# KiCad board 8b-alu-slice.kicad_pcb (continued)
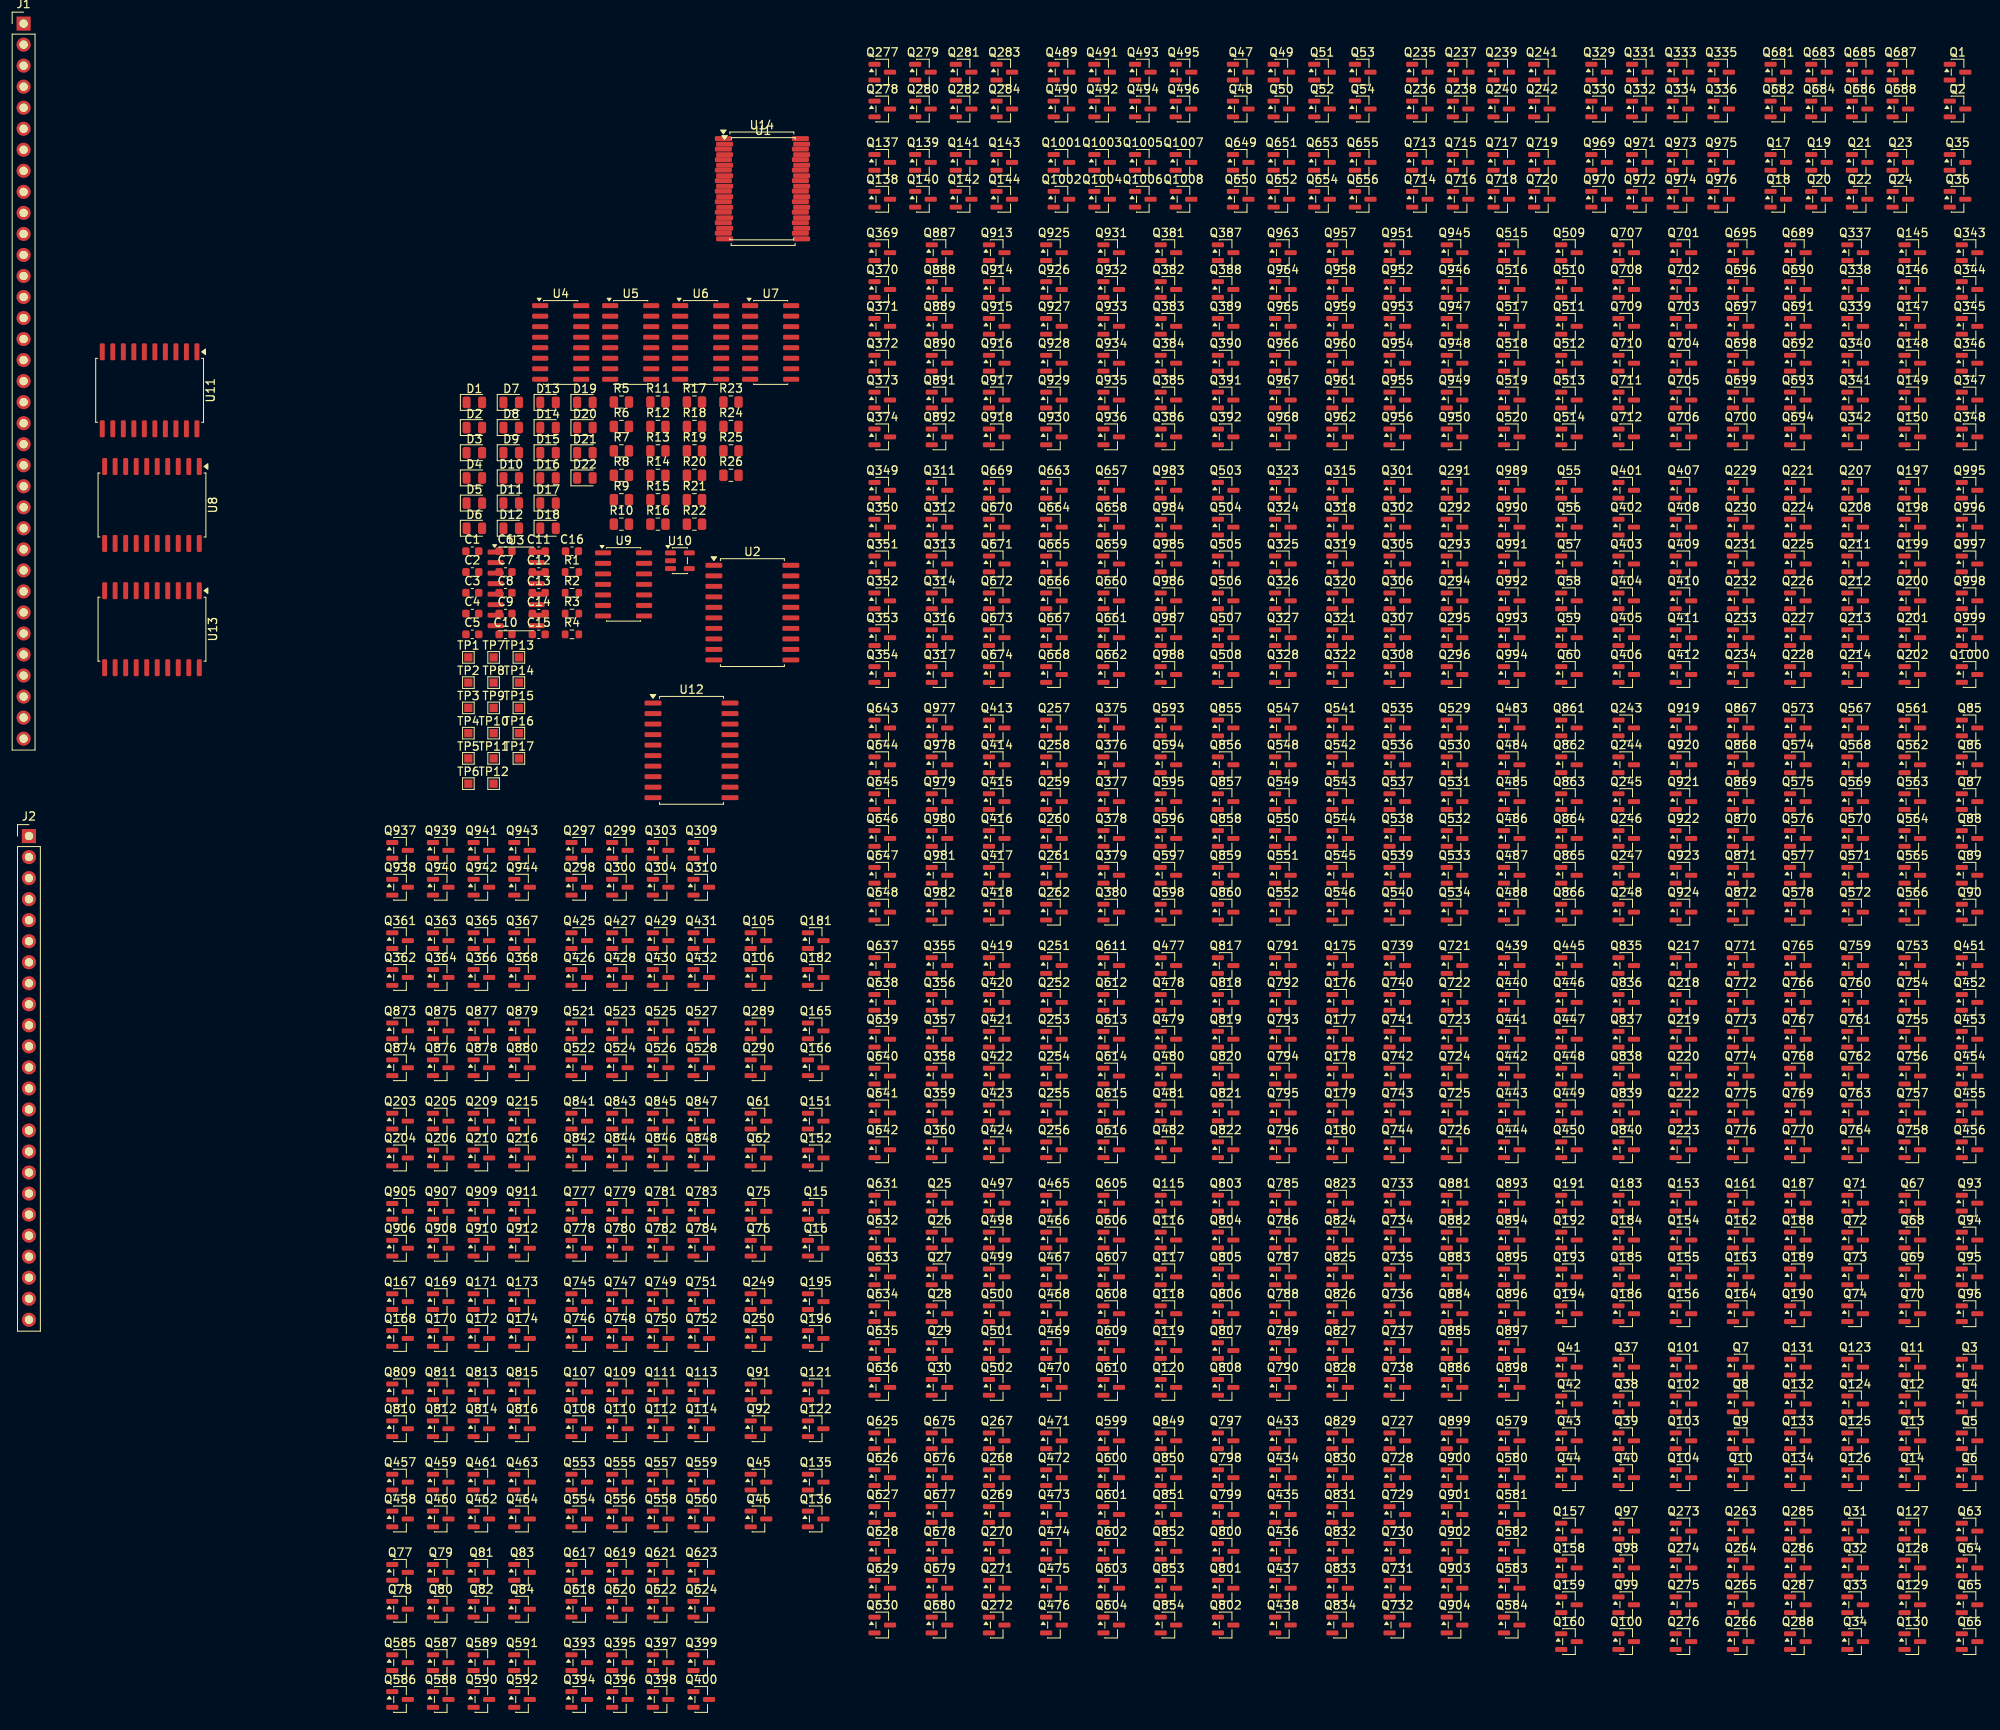
[diagram p0: board, top side]
## Nets (continued)
/1b_alu_slice_5/mux_4to1_2/3nand1/Y: Q643.3 Q644.3 Q645.3 Q648.3 Q649.1 Q656.1
/1b_alu_slice_5/mux_4to1_2/3nand2/Y: Q631.3 Q632.3 Q633.3 Q636.3 Q650.1 Q655.1
/1b_alu_slice_5/mux_4to1_2/3nand3/Y: Q625.3 Q626.3 Q627.3 Q630.3 Q651.1 Q654.1
/1b_alu_slice_5/mux_4to1_2/3nand4/Y: Q637.3 Q638.3 Q639.3 Q642.3 Q652.1 Q653.1
/1b_alu_slice_5/mux_4to1_2/C0_B: Q123.3 Q124.3 Q633.1 Q636.1 Q645.1 Q648.1
/1b_alu_slice_5/mux_4to1_2/C1_B: Q125.3 Q126.3 Q626.1 Q628.1 Q644.1 Q646.1
/1b_alu_slice_5/mux_4to1_3/3nand1/Y: Q707.3 Q708.3 Q709.3 Q712.3 Q713.1 Q720.1
/1b_alu_slice_5/mux_4to1_3/3nand2/Y: Q695.3 Q696.3 Q697.3 Q700.3 Q714.1 Q719.1
/1b_alu_slice_5/mux_4to1_3/3nand3/Y: Q689.3 Q690.3 Q691.3 Q694.3 Q715.1 Q718.1
/1b_alu_slice_5/mux_4to1_3/3nand4/Y: Q701.3 Q702.3 Q703.3 Q706.3 Q716.1 Q717.1
/1b_alu_slice_5/mux_4to1_3/C0_B: Q131.3 Q132.3 Q697.1 Q700.1 Q709.1 Q712.1
/1b_alu_slice_5/mux_4to1_3/C1_B: Q133.3 Q134.3 Q690.1 Q692.1 Q708.1 Q710.1
/1b_alu_slice_6/inv1/Y: Q151.3 Q152.3 Q727.1 Q731.1
/1b_alu_slice_6/inv2/Y: Q165.3 Q166.3 Q791.1 Q795.1
/1b_alu_slice_6/mux_4to1_1/3nand1/Y: Q771.3 Q772.3 Q773.3 Q776.3 Q777.1 Q784.1
/1b_alu_slice_6/mux_4to1_1/3nand2/Y: Q759.3 Q760.3 Q761.3 Q764.3 Q778.1 Q783.1
/1b_alu_slice_6/mux_4to1_1/3nand3/Y: Q753.3 Q754.3 Q755.3 Q758.3 Q779.1 Q782.1
/1b_alu_slice_6/mux_4to1_1/3nand4/Y: Q765.3 Q766.3 Q767.3 Q770.3 Q780.1 Q781.1
/1b_alu_slice_6/mux_4to1_1/C0: Q157.1 Q158.1 Q176.1 Q177.1 Q745.3 Q746.3 Q747.3 Q748.3 Q749.3 Q755.1 Q758.1 Q767.1 Q770.1
/1b_alu_slice_6/mux_4to1_1/C0_B: Q157.3 Q158.3 Q761.1 Q764.1 Q773.1 Q776.1
/1b_alu_slice_6/mux_4to1_1/C1: Q159.1 Q160.1 Q175.1 Q178.1 Q760.1 Q762.1 Q766.1 Q768.1 Q809.3 Q810.3 Q811.3 Q812.3 Q813.3
/1b_alu_slice_6/mux_4to1_1/C1_B: Q159.3 Q160.3 Q754.1 Q756.1 Q772.1 Q774.1
/1b_alu_slice_6/mux_4to1_2/3nand1/Y: Q739.3 Q740.3 Q741.3 Q744.3 Q745.1 Q752.1
/1b_alu_slice_6/mux_4to1_2/3nand2/Y: Q727.3 Q728.3 Q729.3 Q732.3 Q746.1 Q751.1
/1b_alu_slice_6/mux_4to1_2/3nand3/Y: Q721.3 Q722.3 Q723.3 Q726.3 Q747.1 Q750.1
/1b_alu_slice_6/mux_4to1_2/3nand4/Y: Q733.3 Q734.3 Q735.3 Q738.3 Q748.1 Q749.1
/1b_alu_slice_6/mux_4to1_2/C0_B: Q153.3 Q154.3 Q729.1 Q732.1 Q741.1 Q744.1
/1b_alu_slice_6/mux_4to1_2/C1_B: Q155.3 Q156.3 Q722.1 Q724.1 Q740.1 Q742.1
/1b_alu_slice_6/mux_4to1_3/3nand1/Y: Q803.3 Q804.3 Q805.3 Q808.3 Q809.1 Q816.1
/1b_alu_slice_6/mux_4to1_3/3nand2/Y: Q791.3 Q792.3 Q793.3 Q796.3 Q810.1 Q815.1
/1b_alu_slice_6/mux_4to1_3/3nand3/Y: Q785.3 Q786.3 Q787.3 Q790.3 Q811.1 Q814.1
/1b_alu_slice_6/mux_4to1_3/3nand4/Y: Q797.3 Q798.3 Q799.3 Q802.3 Q812.1 Q813.1
/1b_alu_slice_6/mux_4to1_3/C0_B: Q161.3 Q162.3 Q793.1 Q796.1 Q805.1 Q808.1
/1b_alu_slice_6/mux_4to1_3/C1_B: Q163.3 Q164.3 Q786.1 Q788.1 Q804.1 Q806.1
/1b_alu_slice_7/inv1/Y: Q181.3 Q182.3 Q823.1 Q827.1
/1b_alu_slice_7/inv2/Y: Q195.3 Q196.3 Q887.1 Q891.1
/1b_alu_slice_7/mux_4to1_1/3nand1/Y: Q867.3 Q868.3 Q869.3 Q872.3 Q873.1 Q880.1
/1b_alu_slice_7/mux_4to1_1/3nand2/Y: Q855.3 Q856.3 Q857.3 Q860.3 Q874.1 Q879.1
/1b_alu_slice_7/mux_4to1_1/3nand3/Y: Q849.3 Q850.3 Q851.3 Q854.3 Q875.1 Q878.1
/1b_alu_slice_7/mux_4to1_1/3nand4/Y: Q861.3 Q862.3 Q863.3 Q866.3 Q876.1 Q877.1
/1b_alu_slice_7/mux_4to1_1/C0: Q187.1 Q188.1 Q218.1 Q219.1 Q841.3 Q842.3 Q843.3 Q844.3 Q845.3 Q851.1 Q854.1 Q863.1 Q866.1
/1b_alu_slice_7/mux_4to1_1/C0_B: Q187.3 Q188.3 Q857.1 Q860.1 Q869.1 Q872.1
/1b_alu_slice_7/mux_4to1_1/C1: Q189.1 Q190.1 Q217.1 Q220.1 Q856.1 Q858.1 Q862.1 Q864.1 Q905.3 Q906.3 Q907.3 Q908.3 Q909.3
/1b_alu_slice_7/mux_4to1_1/C1_B: Q189.3 Q190.3 Q850.1 Q852.1 Q868.1 Q870.1
/1b_alu_slice_7/mux_4to1_2/3nand1/Y: Q835.3 Q836.3 Q837.3 Q840.3 Q841.1 Q848.1
/1b_alu_slice_7/mux_4to1_2/3nand2/Y: Q823.3 Q824.3 Q825.3 Q828.3 Q842.1 Q847.1
/1b_alu_slice_7/mux_4to1_2/3nand3/Y: Q817.3 Q818.3 Q819.3 Q822.3 Q843.1 Q846.1
/1b_alu_slice_7/mux_4to1_2/3nand4/Y: Q829.3 Q830.3 Q831.3 Q834.3 Q844.1 Q845.1
/1b_alu_slice_7/mux_4to1_2/C0_B: Q183.3 Q184.3 Q825.1 Q828.1 Q837.1 Q840.1
/1b_alu_slice_7/mux_4to1_2/C1_B: Q185.3 Q186.3 Q818.1 Q820.1 Q836.1 Q838.1
/1b_alu_slice_7/mux_4to1_3/3nand1/Y: Q899.3 Q900.3 Q901.3 Q904.3 Q905.1 Q912.1
/1b_alu_slice_7/mux_4to1_3/3nand2/Y: Q887.3 Q888.3 Q889.3 Q892.3 Q906.1 Q911.1
/1b_alu_slice_7/mux_4to1_3/3nand3/Y: Q881.3 Q882.3 Q883.3 Q886.3 Q907.1 Q910.1
/1b_alu_slice_7/mux_4to1_3/3nand4/Y: Q893.3 Q894.3 Q895.3 Q898.3 Q908.1 Q909.1
/1b_alu_slice_7/mux_4to1_3/C0_B: Q191.3 Q192.3 Q889.1 Q892.1 Q901.1 Q904.1
/1b_alu_slice_7/mux_4to1_3/C1_B: Q193.3 Q194.3 Q882.1 Q884.1 Q900.1 Q902.1
/1b_alu_slice_8/inv1/Y: Q249.3 Q250.3 Q919.1 Q923.1
/1b_alu_slice_8/inv2/Y: Q289.3 Q290.3 Q983.1 Q987.1
/1b_alu_slice_8/mux_4to1_1/3nand1/Y: Q963.3 Q964.3 Q965.3 Q968.3 Q969.1 Q976.1
/1b_alu_slice_8/mux_4to1_1/3nand2/Y: Q951.3 Q952.3 Q953.3 Q956.3 Q970.1 Q975.1
/1b_alu_slice_8/mux_4to1_1/3nand3/Y: Q945.3 Q946.3 Q947.3 Q950.3 Q971.1 Q974.1
/1b_alu_slice_8/mux_4to1_1/3nand4/Y: Q957.3 Q958.3 Q959.3 Q962.3 Q972.1 Q973.1
/1b_alu_slice_8/mux_4to1_1/C0: Q273.1 Q274.1 Q312.1 Q313.1 Q937.3 Q938.3 Q939.3 Q940.3 Q941.3 Q947.1 Q950.1 Q959.1 Q962.1
/1b_alu_slice_8/mux_4to1_1/C0_B: Q273.3 Q274.3 Q953.1 Q956.1 Q965.1 Q968.1
/1b_alu_slice_8/mux_4to1_1/C1: Q275.1 Q276.1 Q311.1 Q314.1 Q952.1 Q954.1 Q958.1 Q960.1 Q1001.3 Q1002.3 Q1003.3 Q1004.3 Q1005.3
/1b_alu_slice_8/mux_4to1_1/C1_B: Q275.3 Q276.3 Q946.1 Q948.1 Q964.1 Q966.1
/1b_alu_slice_8/mux_4to1_2/3nand1/Y: Q931.3 Q932.3 Q933.3 Q936.3 Q937.1 Q944.1
/1b_alu_slice_8/mux_4to1_2/3nand2/Y: Q919.3 Q920.3 Q921.3 Q924.3 Q938.1 Q943.1
/1b_alu_slice_8/mux_4to1_2/3nand3/Y: Q913.3 Q914.3 Q915.3 Q918.3 Q939.1 Q942.1
/1b_alu_slice_8/mux_4to1_2/3nand4/Y: Q925.3 Q926.3 Q927.3 Q930.3 Q940.1 Q941.1
/1b_alu_slice_8/mux_4to1_2/C0_B: Q263.3 Q264.3 Q921.1 Q924.1 Q933.1 Q936.1
/1b_alu_slice_8/mux_4to1_2/C1_B: Q265.3 Q266.3 Q914.1 Q916.1 Q932.1 Q934.1
/1b_alu_slice_8/mux_4to1_3/3nand1/Y: Q995.3 Q996.3 Q997.3 Q1000.3 Q1001.1 Q1008.1
/1b_alu_slice_8/mux_4to1_3/3nand2/Y: Q983.3 Q984.3 Q985.3 Q988.3 Q1002.1 Q1007.1
/1b_alu_slice_8/mux_4to1_3/3nand3/Y: Q977.3 Q978.3 Q979.3 Q982.3 Q1003.1 Q1006.1
/1b_alu_slice_8/mux_4to1_3/3nand4/Y: Q989.3 Q990.3 Q991.3 Q994.3 Q1004.1 Q1005.1
/1b_alu_slice_8/mux_4to1_3/C0_B: Q285.3 Q286.3 Q985.1 Q988.1 Q997.1 Q1000.1
/1b_alu_slice_8/mux_4to1_3/C1_B: Q287.3 Q288.3 Q978.1 Q980.1 Q996.1 Q998.1
/alu_out0: U6.4 U14.2
/alu_out1: U6.7 U14.4
/alu_out2: U6.9 U14.6
/alu_out3: U6.12 U14.8
/alu_out4: U7.4 U14.11
/alu_out5: U7.7 U14.13
/alu_out6: U7.9 U14.15
/alu_out7: U7.12 U14.17
/asel0: Q3.1 Q4.1 Q31.1 Q32.1 Q63.1 Q64.1 Q93.1 Q94.1 Q123.1 Q124.1 Q153.1 Q154.1 Q183.1 Q184.1 Q199.1 Q202.1 Q225.1 Q228.1 Q263.1 Q264.1 Q339.1 Q342.1 Q351.1 Q354.1 Q435.1 Q438.1 Q447.1 Q450.1 Q531.1 Q534.1 Q543.1 Q546.1 Q627.1 Q630.1 Q639.1 Q642.1 Q723.1 Q726.1 Q735.1 Q738.1 Q819.1 Q822.1 Q831.1 Q834.1 Q915.1 Q918.1 Q927.1 Q930.1 R5.1 U8.9 U11.9 U13.9
/asel1: Q5.1 Q6.1 Q33.1 Q34.1 Q65.1 Q66.1 Q95.1 Q96.1 Q125.1 Q126.1 Q155.1 Q156.1 Q185.1 Q186.1 Q208.1 Q212.1 Q224.1 Q226.1 Q265.1 Q266.1 Q344.1 Q346.1 Q350.1 Q352.1 Q440.1 Q442.1 Q446.1 Q448.1 Q536.1 Q538.1 Q542.1 Q544.1 Q632.1 Q634.1 Q638.1 Q640.1 Q728.1 Q730.1 Q734.1 Q736.1 Q824.1 Q826.1 Q830.1 Q832.1 Q920.1 Q922.1 Q926.1 Q928.1 R6.1 U8.7 U11.7 U13.7
/bsel0: Q11.1 Q12.1 Q41.1 Q42.1 Q71.1 Q72.1 Q101.1 Q102.1 Q131.1 Q132.1 Q161.1 Q162.1 Q191.1 Q192.1 Q285.1 Q286.1 Q293.1 Q296.1 Q319.1 Q322.1 Q403.1 Q406.1 Q415.1 Q418.1 Q499.1 Q502.1 Q511.1 Q514.1 Q595.1 Q598.1 Q607.1 Q610.1 Q691.1 Q694.1 Q703.1 Q706.1 Q787.1 Q790.1 Q799.1 Q802.1 Q883.1 Q886.1 Q895.1 Q898.1 Q979.1 Q982.1 Q991.1 Q994.1 R7.1 U8.5 U11.5 U13.5
/bsel1: Q13.1 Q14.1 Q43.1 Q44.1 Q73.1 Q74.1 Q103.1 Q104.1 Q133.1 Q134.1 Q163.1 Q164.1 Q193.1 Q194.1 Q287.1 Q288.1 Q302.1 Q306.1 Q318.1 Q320.1 Q408.1 Q410.1 Q414.1 Q416.1 Q504.1 Q506.1 Q510.1 Q512.1 Q600.1 Q602.1 Q606.1 Q608.1 Q696.1 Q698.1 Q702.1 Q704.1 Q792.1 Q794.1 Q798.1 Q800.1 Q888.1 Q890.1 Q894.1 Q896.1 Q984.1 Q986.1 Q990.1 Q992.1 R8.1 U8.3 U11.3 U13.3
/C1: Q19.1 Q20.1 Q22.3 U4.12
/C2: Q79.1 Q80.1 Q82.3 U4.11
/C3: Q109.1 Q110.1 Q112.3 U4.9
/C4: Q139.1 Q140.1 Q142.3 U3.12 U5.13
/C5: Q169.1 Q170.1 Q172.3 U5.12
/C6: Q205.1 Q206.1 Q210.3 U5.11
/C7: Q299.1 Q300.1 Q304.3 U5.9 U10.2
/C8: U3.11 U10.1 U12.6
/func0: Q267.1 Q271.1 Q387.1 Q391.1 Q483.1 Q487.1 Q579.1 Q583.1 Q675.1 Q679.1 Q771.1 Q775.1 Q867.1 Q871.1 Q963.1 Q967.1 R9.1 U8.18 U11.18 U13.18
/func1: Q251.1 Q255.1 Q375.1 Q379.1 Q471.1 Q475.1 Q567.1 Q571.1 Q663.1 Q667.1 Q759.1 Q763.1 Q855.1 Q859.1 Q951.1 Q955.1 R10.1 U8.16 U11.16 U13.16
/func2: Q243.1 Q247.1 Q369.1 Q373.1 Q465.1 Q469.1 Q561.1 Q565.1 Q657.1 Q661.1 Q753.1 Q757.1 Q849.1 Q853.1 Q945.1 Q949.1 R11.1 U8.14 U11.14 U13.14
/func3: Q257.1 Q261.1 Q381.1 Q385.1 Q477.1 Q481.1 Q573.1 Q577.1 Q669.1 Q673.1 Q765.1 Q769.1 Q861.1 Q865.1 Q957.1 Q961.1 R12.1 U8.12 U11.12 U13.12
/func4: R13.1 U6.1 U7.1 U12.5 U12.7 U12.9
/G0: Q59.3 Q60.3 U1.6
/G1: Q29.3 Q30.3 U1.7
/G2: Q89.3 Q90.3 U1.8
/G3: Q119.3 Q120.3 U1.9
/G4: Q149.3 Q150.3 U2.6
/G5: Q179.3 Q180.3 U2.7
/G6: Q222.3 Q223.3 U2.8
/G7: Q316.3 Q317.3 U2.9
/G_OUT_0: U3.3 U4.10
/G_OUT_1: U3.1 U5.10
/P0: Q47.1 Q48.1 Q52.1 Q277.3 Q278.3 Q279.3 Q280.3 Q281.3 TP9.1 U1.2 U6.3
/P1: Q17.1 Q18.1 Q22.1 Q393.3 Q394.3 Q395.3 Q396.3 Q397.3 TP3.1 U1.3 U6.5
/P2: Q77.1 Q78.1 Q82.1 Q489.3 Q490.3 Q491.3 Q492.3 Q493.3 TP2.1 U1.4 U6.11
/P3: Q107.1 Q108.1 Q112.1 Q585.3 Q586.3 Q587.3 Q588.3 Q589.3 TP4.1 U1.5 U6.13
/P4: Q137.1 Q138.1 Q142.1 Q681.3 Q682.3 Q683.3 Q684.3 Q685.3 TP6.1 U2.2 U7.3
/P5: Q167.1 Q168.1 Q172.1 Q777.3 Q778.3 Q779.3 Q780.3 Q781.3 TP7.1 U2.3 U7.5
/P6: Q203.1 Q204.1 Q210.1 Q873.3 Q874.3 Q875.3 Q876.3 Q877.3 TP5.1 U2.4 U7.11
/P7: Q297.1 Q298.1 Q304.1 Q969.3 Q970.3 Q971.3 Q972.3 Q973.3 TP8.1 U2.5 U7.13
/P_OUT_0: U3.4 U4.7
/P_OUT_1: U3.2 U5.7
/SUM[0]: Q53.3 Q54.3 TP17.1 U6.2 U9.2
/SUM[1]: Q23.3 Q24.3 TP16.1 U6.6 U9.3
/SUM[2]: Q83.3 Q84.3 TP15.1 U6.10 U9.4
/SUM[3]: Q113.3 Q114.3 TP14.1 U6.14 U9.5
/SUM[4]: Q143.3 Q144.3 TP13.1 U7.2 U9.9
/SUM[5]: Q173.3 Q174.3 TP12.1 U7.6 U9.10
/SUM[6]: Q215.3 Q216.3 TP11.1 U7.10 U9.11
/SUM[7]: Q309.3 Q310.3 TP10.1 U7.14 U9.12 U12.8
A[0]: J1.4 Q35.1 Q36.1 Q229.1 Q233.1
A[1]: J1.5 Q1.1 Q2.1 Q355.1 Q359.1
A[2]: J1.6 Q61.1 Q62.1 Q451.1 Q455.1
A[3]: J1.7 Q91.1 Q92.1 Q547.1 Q551.1
A[4]: J1.9 Q121.1 Q122.1 Q643.1 Q647.1
A[5]: J1.10 Q151.1 Q152.1 Q739.1 Q743.1
A[6]: J1.11 Q181.1 Q182.1 Q835.1 Q839.1
A[7]: J1.12 Q249.1 Q250.1 Q931.1 Q935.1
A_SEL[0]: J1.30 U8.11 U11.11 U13.11
A_SEL[1]: J1.31 U8.13 U11.13 U13.13
ALU_OUT[0]: J2.4 R19.1 U14.18
ALU_OUT[1]: J2.5 R20.1 U14.16
ALU_OUT[2]: J2.6 R21.1 U14.14
ALU_OUT[3]: J2.7 R22.1 U14.12
ALU_OUT[4]: J2.9 R23.1 U14.9
ALU_OUT[5]: J2.10 R24.1 U14.7
ALU_OUT[6]: J2.11 R25.1 U14.5
ALU_OUT[7]: J2.12 R26.1 U14.3
B[0]: J1.14 Q45.1 Q46.1 Q323.1 Q327.1
B[1]: J1.15 Q15.1 Q16.1 Q419.1 Q423.1
B[2]: J1.16 Q75.1 Q76.1 Q515.1 Q519.1
B[3]: J1.17 Q105.1 Q106.1 Q611.1 Q615.1
B[4]: J1.19 Q135.1 Q136.1 Q707.1 Q711.1
B[5]: J1.20 Q165.1 Q166.1 Q803.1 Q807.1
B[6]: J1.21 Q195.1 Q196.1 Q899.1 Q903.1
B[7]: J1.22 Q289.1 Q290.1 Q995.1 Q999.1
B_SEL[0]: J1.32 U8.15 U11.15 U13.15
B_SEL[1]: J1.33 U8.17 U11.17 U13.17
CIN: J1.34 Q49.1 Q50.1 Q52.3 TP1.1 U3.13 U4.13
COUT: J2.14 R16.1 U12.14
FUNC[0]: J1.24 U8.2 U11.2 U13.2
FUNC[1]: J1.25 U8.4 U11.4 U13.4
FUNC[2]: J1.26 U8.6 U11.6 U13.6
FUNC[3]: J1.27 U8.8 U11.8 U13.8
FUNC[4]: J1.28 U12.11 U12.13 U12.15
N: J2.16 R17.1 U12.12
NZ: J2.15 R14.1 U12.18
VOUT: J2.18 R18.1 U12.3
ZOUT: J2.17 R15.1 U12.16
Net-(D1-A): D1.2 R5.2
Net-(D2-A): D2.2 R6.2
Net-(D3-A): D3.2 R7.2
Net-(D4-A): D4.2 R8.2
Net-(D5-A): D5.2 R9.2
Net-(D6-A): D6.2 R10.2
Net-(D7-A): D7.2 R11.2
Net-(D8-A): D8.2 R12.2
Net-(D9-A): D9.2 R13.2
Net-(D10-A): D10.2 R14.2
Net-(D11-A): D11.2 R15.2
Net-(D12-A): D12.2 R16.2
Net-(D13-A): D13.2 R17.2
Net-(D14-A): D14.2 R18.2
Net-(D15-A): D15.2 R19.2
Net-(D16-A): D16.2 R20.2
Net-(D17-A): D17.2 R21.2
Net-(D18-A): D18.2 R22.2
Net-(D19-A): D19.2 R23.2
Net-(D20-A): D20.2 R24.2
Net-(D21-A): D21.2 R25.2
Net-(D22-A): D22.2 R26.2
Net-(Q17-D): Q17.3 Q18.3 Q21.1
Net-(Q19-D): Q19.3 Q20.3 Q21.2
Net-(Q21-D): Q21.3 Q22.2 Q23.1 Q24.1
Net-(Q25-D): Q25.3 Q26.3 Q27.3 Q29.1 Q30.1
Net-(Q27-S): Q27.2 Q28.3
Net-(Q47-D): Q47.3 Q48.3 Q51.1
Net-(Q49-D): Q49.3 Q50.3 Q51.2
Net-(Q51-D): Q51.3 Q52.2 Q53.1 Q54.1
Net-(Q55-D): Q55.3 Q56.3 Q57.3 Q59.1 Q60.1
Net-(Q57-S): Q57.2 Q58.3
Net-(Q77-D): Q77.3 Q78.3 Q81.1
Net-(Q79-D): Q79.3 Q80.3 Q81.2
Net-(Q81-D): Q81.3 Q82.2 Q83.1 Q84.1
Net-(Q85-D): Q85.3 Q86.3 Q87.3 Q89.1 Q90.1
Net-(Q87-S): Q87.2 Q88.3
Net-(Q107-D): Q107.3 Q108.3 Q111.1
Net-(Q109-D): Q109.3 Q110.3 Q111.2
Net-(Q111-D): Q111.3 Q112.2 Q113.1 Q114.1
Net-(Q115-D): Q115.3 Q116.3 Q117.3 Q119.1 Q120.1
Net-(Q117-S): Q117.2 Q118.3
Net-(Q137-D): Q137.3 Q138.3 Q141.1
Net-(Q139-D): Q139.3 Q140.3 Q141.2
Net-(Q141-D): Q141.3 Q142.2 Q143.1 Q144.1
Net-(Q145-D): Q145.3 Q146.3 Q147.3 Q149.1 Q150.1
Net-(Q147-S): Q147.2 Q148.3
Net-(Q167-D): Q167.3 Q168.3 Q171.1
Net-(Q169-D): Q169.3 Q170.3 Q171.2
Net-(Q171-D): Q171.3 Q172.2 Q173.1 Q174.1
Net-(Q175-D): Q175.3 Q176.3 Q177.3 Q179.1 Q180.1
Net-(Q177-S): Q177.2 Q178.3
Net-(Q199-S): Q199.2 Q200.3
Net-(Q200-S): Q200.2 Q201.3
Net-(Q203-D): Q203.3 Q204.3 Q209.1
Net-(Q205-D): Q205.3 Q206.3 Q209.2
Net-(Q209-D): Q209.3 Q210.2 Q215.1 Q216.1
Net-(Q211-S): Q211.2 Q212.3
Net-(Q212-S): Q212.2 Q213.3
Net-(Q217-D): Q217.3 Q218.3 Q219.3 Q222.1 Q223.1
Net-(Q219-S): Q219.2 Q220.3
Net-(Q225-S): Q225.2 Q226.3
Net-(Q226-S): Q226.2 Q227.3
Net-(Q231-S): Q231.2 Q232.3
Net-(Q232-S): Q232.2 Q233.3
Net-(Q239-S): Q239.2 Q240.3
Net-(Q240-S): Q240.2 Q241.3
Net-(Q241-S): Q241.2 Q242.3
Net-(Q245-S): Q245.2 Q246.3
Net-(Q246-S): Q246.2 Q247.3
Net-(Q253-S): Q253.2 Q254.3
Net-(Q254-S): Q254.2 Q255.3
Net-(Q259-S): Q259.2 Q260.3
Net-(Q260-S): Q260.2 Q261.3
Net-(Q269-S): Q269.2 Q270.3
Net-(Q270-S): Q270.2 Q271.3
Net-(Q281-S): Q281.2 Q282.3
Net-(Q282-S): Q282.2 Q283.3
Net-(Q283-S): Q283.2 Q284.3
Net-(Q293-S): Q293.2 Q294.3
Net-(Q294-S): Q294.2 Q295.3
Net-(Q297-D): Q297.3 Q298.3 Q303.1
Net-(Q299-D): Q299.3 Q300.3 Q303.2
Net-(Q303-D): Q303.3 Q304.2 Q309.1 Q310.1
Net-(Q305-S): Q305.2 Q306.3
Net-(Q306-S): Q306.2 Q307.3
Net-(Q311-D): Q311.3 Q312.3 Q313.3 Q316.1 Q317.1
Net-(Q313-S): Q313.2 Q314.3
Net-(Q319-S): Q319.2 Q320.3
Net-(Q320-S): Q320.2 Q321.3
Net-(Q325-S): Q325.2 Q326.3
Net-(Q326-S): Q326.2 Q327.3
Net-(Q333-S): Q333.2 Q334.3
Net-(Q334-S): Q334.2 Q335.3
Net-(Q335-S): Q335.2 Q336.3
Net-(Q339-S): Q339.2 Q340.3
Net-(Q340-S): Q340.2 Q341.3
Net-(Q345-S): Q345.2 Q346.3
Net-(Q346-S): Q346.2 Q347.3
Net-(Q351-S): Q351.2 Q352.3
Net-(Q352-S): Q352.2 Q353.3
Net-(Q357-S): Q357.2 Q358.3
Net-(Q358-S): Q358.2 Q359.3
Net-(Q365-S): Q365.2 Q366.3
Net-(Q366-S): Q366.2 Q367.3
Net-(Q367-S): Q367.2 Q368.3
Net-(Q371-S): Q371.2 Q372.3
Net-(Q372-S): Q372.2 Q373.3
Net-(Q377-S): Q377.2 Q378.3
Net-(Q378-S): Q378.2 Q379.3
Net-(Q383-S): Q383.2 Q384.3
Net-(Q384-S): Q384.2 Q385.3
Net-(Q389-S): Q389.2 Q390.3
Net-(Q390-S): Q390.2 Q391.3
Net-(Q397-S): Q397.2 Q398.3
Net-(Q398-S): Q398.2 Q399.3
Net-(Q399-S): Q399.2 Q400.3
Net-(Q403-S): Q403.2 Q404.3
Net-(Q404-S): Q404.2 Q405.3
Net-(Q409-S): Q409.2 Q410.3
Net-(Q410-S): Q410.2 Q411.3
Net-(Q415-S): Q415.2 Q416.3
Net-(Q416-S): Q416.2 Q417.3
Net-(Q421-S): Q421.2 Q422.3
Net-(Q422-S): Q422.2 Q423.3
Net-(Q429-S): Q429.2 Q430.3
Net-(Q430-S): Q430.2 Q431.3
Net-(Q431-S): Q431.2 Q432.3
Net-(Q435-S): Q435.2 Q436.3
Net-(Q436-S): Q436.2 Q437.3
Net-(Q441-S): Q441.2 Q442.3
Net-(Q442-S): Q442.2 Q443.3
Net-(Q447-S): Q447.2 Q448.3
Net-(Q448-S): Q448.2 Q449.3
Net-(Q453-S): Q453.2 Q454.3
Net-(Q454-S): Q454.2 Q455.3
Net-(Q461-S): Q461.2 Q462.3
Net-(Q462-S): Q462.2 Q463.3
Net-(Q463-S): Q463.2 Q464.3
Net-(Q467-S): Q467.2 Q468.3
Net-(Q468-S): Q468.2 Q469.3
Net-(Q473-S): Q473.2 Q474.3
Net-(Q474-S): Q474.2 Q475.3
Net-(Q479-S): Q479.2 Q480.3
Net-(Q480-S): Q480.2 Q481.3
Net-(Q485-S): Q485.2 Q486.3
Net-(Q486-S): Q486.2 Q487.3
Net-(Q493-S): Q493.2 Q494.3
Net-(Q494-S): Q494.2 Q495.3
Net-(Q495-S): Q495.2 Q496.3
Net-(Q499-S): Q499.2 Q500.3
Net-(Q500-S): Q500.2 Q501.3
Net-(Q505-S): Q505.2 Q506.3
Net-(Q506-S): Q506.2 Q507.3
Net-(Q511-S): Q511.2 Q512.3
Net-(Q512-S): Q512.2 Q513.3
Net-(Q517-S): Q517.2 Q518.3
Net-(Q518-S): Q518.2 Q519.3
Net-(Q525-S): Q525.2 Q526.3
Net-(Q526-S): Q526.2 Q527.3
Net-(Q527-S): Q527.2 Q528.3
Net-(Q531-S): Q531.2 Q532.3
Net-(Q532-S): Q532.2 Q533.3
Net-(Q537-S): Q537.2 Q538.3
Net-(Q538-S): Q538.2 Q539.3
Net-(Q543-S): Q543.2 Q544.3
Net-(Q544-S): Q544.2 Q545.3
Net-(Q549-S): Q549.2 Q550.3
Net-(Q550-S): Q550.2 Q551.3
Net-(Q557-S): Q557.2 Q558.3
Net-(Q558-S): Q558.2 Q559.3
Net-(Q559-S): Q559.2 Q560.3
Net-(Q563-S): Q563.2 Q564.3
Net-(Q564-S): Q564.2 Q565.3
Net-(Q569-S): Q569.2 Q570.3
Net-(Q570-S): Q570.2 Q571.3
Net-(Q575-S): Q575.2 Q576.3
Net-(Q576-S): Q576.2 Q577.3
Net-(Q581-S): Q581.2 Q582.3
Net-(Q582-S): Q582.2 Q583.3
Net-(Q589-S): Q589.2 Q590.3
Net-(Q590-S): Q590.2 Q591.3
Net-(Q591-S): Q591.2 Q592.3
Net-(Q595-S): Q595.2 Q596.3
Net-(Q596-S): Q596.2 Q597.3
Net-(Q601-S): Q601.2 Q602.3
Net-(Q602-S): Q602.2 Q603.3
Net-(Q607-S): Q607.2 Q608.3
Net-(Q608-S): Q608.2 Q609.3
Net-(Q613-S): Q613.2 Q614.3
Net-(Q614-S): Q614.2 Q615.3
Net-(Q621-S): Q621.2 Q622.3
Net-(Q622-S): Q622.2 Q623.3
Net-(Q623-S): Q623.2 Q624.3
Net-(Q627-S): Q627.2 Q628.3
Net-(Q628-S): Q628.2 Q629.3
Net-(Q633-S): Q633.2 Q634.3
Net-(Q634-S): Q634.2 Q635.3
Net-(Q639-S): Q639.2 Q640.3
Net-(Q640-S): Q640.2 Q641.3
Net-(Q645-S): Q645.2 Q646.3
Net-(Q646-S): Q646.2 Q647.3
Net-(Q653-S): Q653.2 Q654.3
Net-(Q654-S): Q654.2 Q655.3
Net-(Q655-S): Q655.2 Q656.3
Net-(Q659-S): Q659.2 Q660.3
Net-(Q660-S): Q660.2 Q661.3
Net-(Q665-S): Q665.2 Q666.3
Net-(Q666-S): Q666.2 Q667.3
Net-(Q671-S): Q671.2 Q672.3
Net-(Q672-S): Q672.2 Q673.3
Net-(Q677-S): Q677.2 Q678.3
Net-(Q678-S): Q678.2 Q679.3
Net-(Q685-S): Q685.2 Q686.3
Net-(Q686-S): Q686.2 Q687.3
Net-(Q687-S): Q687.2 Q688.3
Net-(Q691-S): Q691.2 Q692.3
Net-(Q692-S): Q692.2 Q693.3
Net-(Q697-S): Q697.2 Q698.3
Net-(Q698-S): Q698.2 Q699.3
Net-(Q703-S): Q703.2 Q704.3
Net-(Q704-S): Q704.2 Q705.3
Net-(Q709-S): Q709.2 Q710.3
Net-(Q710-S): Q710.2 Q711.3
Net-(Q717-S): Q717.2 Q718.3
Net-(Q718-S): Q718.2 Q719.3
Net-(Q719-S): Q719.2 Q720.3
Net-(Q723-S): Q723.2 Q724.3
Net-(Q724-S): Q724.2 Q725.3
Net-(Q729-S): Q729.2 Q730.3
Net-(Q730-S): Q730.2 Q731.3
Net-(Q735-S): Q735.2 Q736.3
Net-(Q736-S): Q736.2 Q737.3
Net-(Q741-S): Q741.2 Q742.3
Net-(Q742-S): Q742.2 Q743.3
Net-(Q749-S): Q749.2 Q750.3
Net-(Q750-S): Q750.2 Q751.3
Net-(Q751-S): Q751.2 Q752.3
Net-(Q755-S): Q755.2 Q756.3
Net-(Q756-S): Q756.2 Q757.3
Net-(Q761-S): Q761.2 Q762.3
Net-(Q762-S): Q762.2 Q763.3
Net-(Q767-S): Q767.2 Q768.3
Net-(Q768-S): Q768.2 Q769.3
Net-(Q773-S): Q773.2 Q774.3
Net-(Q774-S): Q774.2 Q775.3
Net-(Q781-S): Q781.2 Q782.3
Net-(Q782-S): Q782.2 Q783.3
Net-(Q783-S): Q783.2 Q784.3
Net-(Q787-S): Q787.2 Q788.3
Net-(Q788-S): Q788.2 Q789.3
Net-(Q793-S): Q793.2 Q794.3
Net-(Q794-S): Q794.2 Q795.3
Net-(Q799-S): Q799.2 Q800.3
Net-(Q800-S): Q800.2 Q801.3
Net-(Q805-S): Q805.2 Q806.3
Net-(Q806-S): Q806.2 Q807.3
Net-(Q813-S): Q813.2 Q814.3
Net-(Q814-S): Q814.2 Q815.3
Net-(Q815-S): Q815.2 Q816.3
Net-(Q819-S): Q819.2 Q820.3
Net-(Q820-S): Q820.2 Q821.3
Net-(Q825-S): Q825.2 Q826.3
Net-(Q826-S): Q826.2 Q827.3
Net-(Q831-S): Q831.2 Q832.3
Net-(Q832-S): Q832.2 Q833.3
Net-(Q837-S): Q837.2 Q838.3
Net-(Q838-S): Q838.2 Q839.3
Net-(Q845-S): Q845.2 Q846.3
Net-(Q846-S): Q846.2 Q847.3
Net-(Q847-S): Q847.2 Q848.3
Net-(Q851-S): Q851.2 Q852.3
Net-(Q852-S): Q852.2 Q853.3
Net-(Q857-S): Q857.2 Q858.3
Net-(Q858-S): Q858.2 Q859.3
Net-(Q863-S): Q863.2 Q864.3
Net-(Q864-S): Q864.2 Q865.3
Net-(Q869-S): Q869.2 Q870.3
Net-(Q870-S): Q870.2 Q871.3
Net-(Q877-S): Q877.2 Q878.3
Net-(Q878-S): Q878.2 Q879.3
Net-(Q879-S): Q879.2 Q880.3
Net-(Q883-S): Q883.2 Q884.3
Net-(Q884-S): Q884.2 Q885.3
Net-(Q889-S): Q889.2 Q890.3
Net-(Q890-S): Q890.2 Q891.3
Net-(Q895-S): Q895.2 Q896.3
Net-(Q896-S): Q896.2 Q897.3
Net-(Q901-S): Q901.2 Q902.3
Net-(Q902-S): Q902.2 Q903.3
Net-(Q909-S): Q909.2 Q910.3
Net-(Q910-S): Q910.2 Q911.3
Net-(Q911-S): Q911.2 Q912.3
Net-(Q915-S): Q915.2 Q916.3
Net-(Q916-S): Q916.2 Q917.3
Net-(Q921-S): Q921.2 Q922.3
Net-(Q922-S): Q922.2 Q923.3
Net-(Q927-S): Q927.2 Q928.3
Net-(Q928-S): Q928.2 Q929.3
Net-(Q933-S): Q933.2 Q934.3
Net-(Q934-S): Q934.2 Q935.3
Net-(Q941-S): Q941.2 Q942.3
Net-(Q942-S): Q942.2 Q943.3
Net-(Q943-S): Q943.2 Q944.3
Net-(Q947-S): Q947.2 Q948.3
Net-(Q948-S): Q948.2 Q949.3
Net-(Q953-S): Q953.2 Q954.3
Net-(Q954-S): Q954.2 Q955.3
Net-(Q959-S): Q959.2 Q960.3
Net-(Q960-S): Q960.2 Q961.3
Net-(Q965-S): Q965.2 Q966.3
Net-(Q966-S): Q966.2 Q967.3
Net-(Q973-S): Q973.2 Q974.3
Net-(Q974-S): Q974.2 Q975.3
Net-(Q975-S): Q975.2 Q976.3
Net-(Q979-S): Q979.2 Q980.3
Net-(Q980-S): Q980.2 Q981.3
Net-(Q985-S): Q985.2 Q986.3
Net-(Q986-S): Q986.2 Q987.3
Net-(Q991-S): Q991.2 Q992.3
Net-(Q992-S): Q992.2 Q993.3
Net-(Q997-S): Q997.2 Q998.3
Net-(Q998-S): Q998.2 Q999.3
Net-(Q1005-S): Q1005.2 Q1006.3
Net-(Q1006-S): Q1006.2 Q1007.3
Net-(Q1007-S): Q1007.2 Q1008.3
Net-(U1-Y0): U1.18 U4.4
Net-(U1-Y1): U1.17 U4.2
Net-(U1-Y2): U1.16 U4.15
Net-(U1-Y3): U1.15 U4.6
Net-(U1-Y4): U1.14 U4.3
Net-(U1-Y5): U1.13 U4.1
Net-(U1-Y6): U1.12 U4.14
Net-(U1-Y7): U1.11 U4.5
Net-(U2-Y0): U2.18 U5.4
Net-(U2-Y1): U2.17 U5.2
Net-(U2-Y2): U2.16 U5.15
Net-(U2-Y3): U2.15 U5.6
Net-(U2-Y4): U2.14 U5.3
Net-(U2-Y5): U2.13 U5.1
Net-(U2-Y6): U2.12 U5.14
Net-(U2-Y7): U2.11 U5.5
Net-(U3-G2): R1.1 U3.14
Net-(U3-G3): R2.1 U3.5
Net-(U3-P2): R3.1 U3.15
Net-(U3-P3): R4.1 U3.6
Net-(U12-I0a): U9.1 U12.2
Net-(U12-I1a): U9.13 U12.4
Net-(U12-I3b): U10.4 U12.17

Pads without a net: U3 7 9 10; U9 6 8
